# Altium PCB Z693_H93-A_KD01_V1.3_X6.PcbDoc (part 4 of 7)
Units mil, origin at the board's own origin, x right, y up, seen from the top; angles counter-clockwise.
Board outline 6229.44 x 4099.52 mil, 4 copper layers (Top Layer, Mid-Layer 1, Mid-Layer 2, Bottom Layer); 1032 components, 62 nets, 3170 pads, 1350 vias.
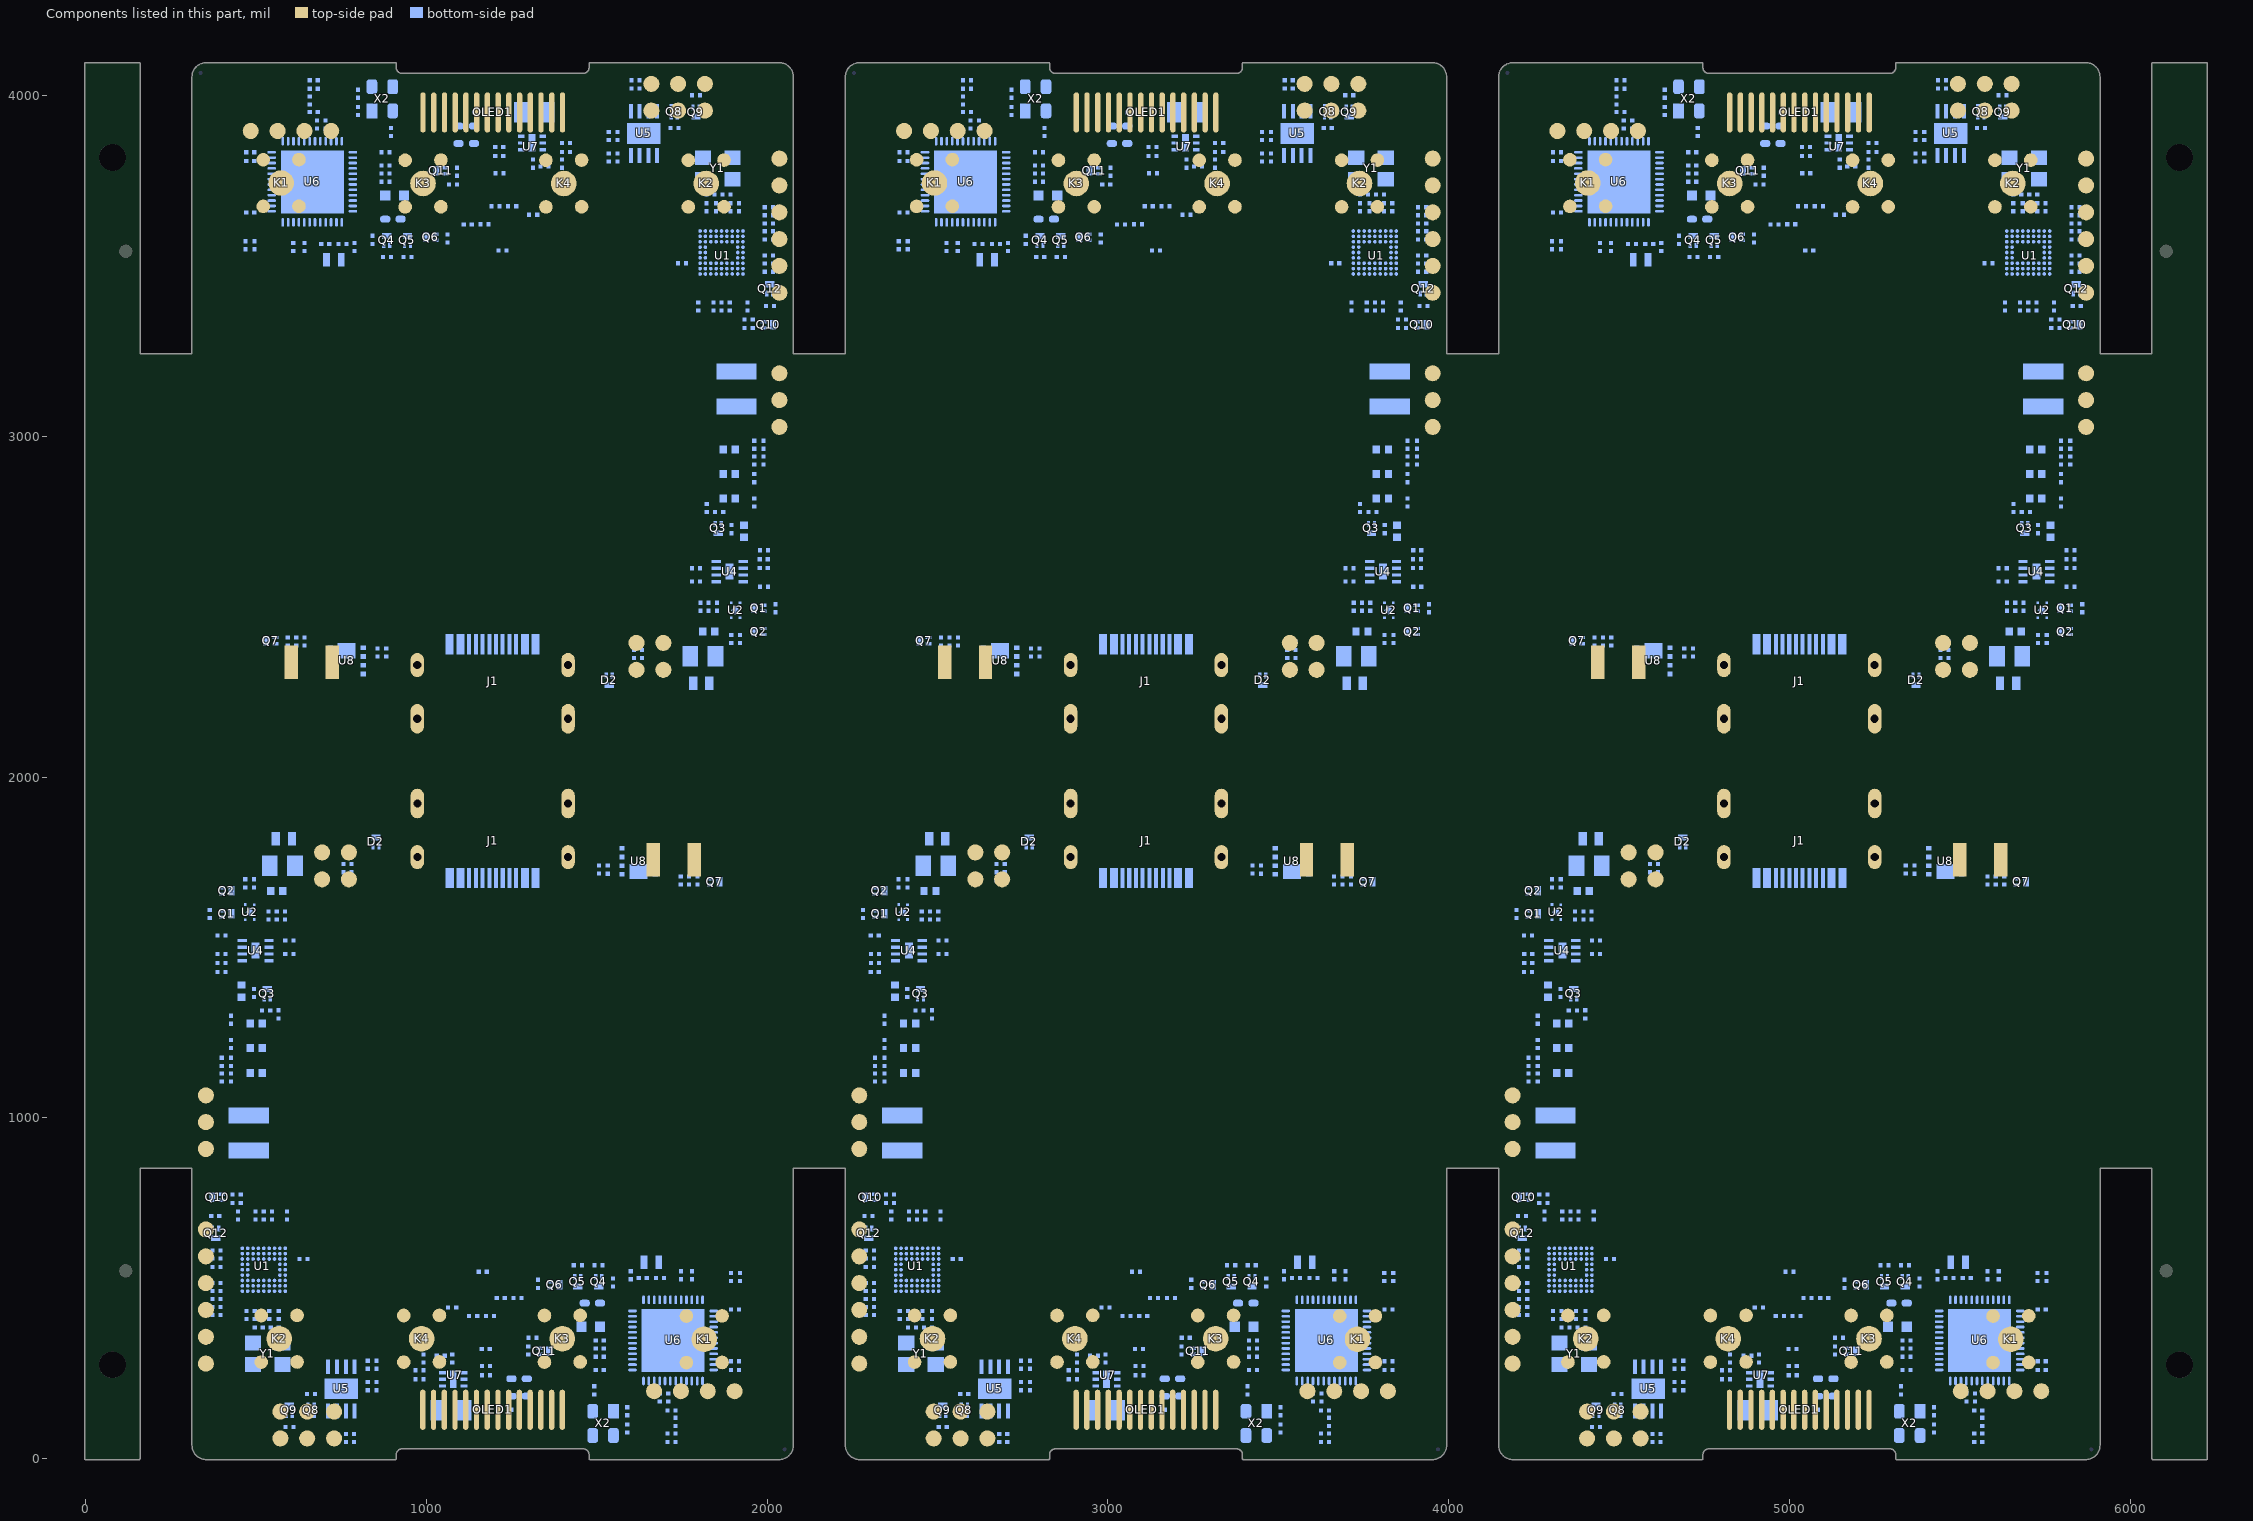
[diagram p6: the components of this part, seen from the top]

## Via types
v1: diameter 15, hole 8, Top Layer to Bottom Layer, tented both sides, 1194 vias
v2: diameter 8, hole 4, Mid-Layer 2 to Bottom Layer, tented bottom, 150 vias
v3: diameter 20, hole 10, Top Layer to Bottom Layer, tented both sides, 6 vias

## Nets (pads, with @x,y where several pads share a name; then routed paths per layer and width w, separated by ;. In a path a pad name is that pad's centre, name@x,y a point inside that pad or via, vN(x,y) a via of type N, cw(c..) or ccw(c..) an arc to the next point about the centre after c; other vN are vias at no path point) (continued)
copper on no net: (continued)
  Mid-Layer 1 w20: v1(389.8,1007.06) 389.8,1188.96 375.41,1203.36 375.41,1475.08 v1(401.26,1500.94) ; v1@435.26,492.06 462.09,518.89 462.09,630.75 472.44,641.1 472.44,697.56 ; v1(516,779.68) 529.38,793.06 529.38,1400.6 v1(568.88,1440.1) v1(568.88,1520.62) ; v1@523.26,682.93 508.63,697.56 472.44,697.56 ; v1(614.8,857.88) 614.8,824.88 646.38,793.3 646.38,665.11 697.61,613.88 777.77,613.88 822.39,569.25 v1@822.39,438.39 ; v1(655.8,1739.88) 743.24,1739.88 785.52,1697.6 936.24,1697.6 v1(936.88,1698.24) ; v3(733.98,1686.1) 660.54,1686.1 v1(537.01,1562.56) 508.8,1534.35 508.8,1476.76 454.76,1422.72 454.76,715.24 472.44,697.56 ; v1(1452.88,2396.25) 1453.52,2396.9 1604.24,2396.9 1646.52,2354.62 v1(1733.96,2354.62) ; v1@1567.37,3656.1 1567.37,3525.24 1611.99,3480.62 1692.15,3480.62 1743.38,3429.38 1743.38,3301.19 1774.96,3269.62 v1(1774.96,3236.62) ; v3(1655.79,2408.4) 1729.22,2408.4 v1(1852.76,2531.93) 1880.96,2560.14 1880.96,2617.73 1935,2671.77 1935,3379.25 1917.32,3396.93 ; v1(1820.88,2573.87) v1(1820.88,2654.4) 1860.38,2693.9 1860.38,3301.43 v1(1873.77,3314.82) ; v1@1866.5,3411.56 1881.14,3396.93 1917.32,3396.93 ; v1@1954.5,3602.43 1927.68,3575.6 1927.68,3463.75 1917.32,3453.39 1917.32,3396.93 ; v1(1988.5,2593.55) 2014.36,2619.41 2014.36,2891.13 1999.96,2905.53 v1(1999.96,3087.43) ; v1(2307.13,1007.06) 2307.13,1188.96 2292.73,1203.36 2292.73,1475.08 v1(2318.58,1500.94) ; v1@2352.58,492.06 2379.41,518.89 2379.41,630.75 2389.77,641.1 2389.77,697.56 ; v1(2433.32,779.68) 2446.71,793.06 2446.71,1400.6 v1(2486.21,1440.1) v1(2486.21,1520.62) ; v1@2440.58,682.93 2425.95,697.56 2389.77,697.56 ; v1(2532.13,857.88) 2532.13,824.88 2563.71,793.3 2563.71,665.11 2614.94,613.88 2695.1,613.88 2739.72,569.25 v1@2739.72,438.39 ; v1(2573.13,1739.88) 2660.57,1739.88 2702.85,1697.6 2853.57,1697.6 v1(2854.21,1698.24) ; v3(2651.3,1686.1) 2577.87,1686.1 v1(2454.33,1562.56) 2426.13,1534.35 2426.13,1476.76 2372.08,1422.72 2372.08,715.24 2389.77,697.56 ; v1(3370.21,2396.25) 3370.85,2396.9 3521.57,2396.9 3563.85,2354.62 v1(3651.28,2354.62) ; v1@3484.69,3656.1 3484.69,3525.24 3529.32,3480.62 3609.48,3480.62 3660.71,3429.38 3660.71,3301.19 3692.28,3269.62 v1(3692.28,3236.62) ; v3(3573.11,2408.4) 3646.54,2408.4 v1(3770.08,2531.93) 3798.28,2560.14 3798.28,2617.73 3852.33,2671.77 3852.33,3379.25 3834.64,3396.93 ; v1(3738.21,2573.87) v1(3738.21,2654.4) 3777.71,2693.9 3777.71,3301.43 v1(3791.09,3314.82) ; v1@3783.83,3411.56 3798.46,3396.93 3834.64,3396.93 ; v1@3871.83,3602.43 3845,3575.6 3845,3463.75 3834.64,3453.39 3834.64,3396.93 ; v1(3905.83,2593.55) 3931.68,2619.41 3931.68,2891.13 3917.28,2905.53 v1(3917.28,3087.43) ; v1(4224.45,1007.06) 4224.45,1188.96 4210.05,1203.36 4210.05,1475.08 v1(4235.91,1500.94) ; v1@4269.91,492.06 4296.74,518.89 4296.74,630.75 4307.09,641.1 4307.09,697.56 ; v1(4350.65,779.68) 4364.03,793.06 4364.03,1400.6 v1(4403.53,1440.1) v1(4403.53,1520.62) ; v1@4357.91,682.93 4343.28,697.56 4307.09,697.56 ; v1(4449.45,857.88) 4449.45,824.88 4481.03,793.3 4481.03,665.11 4532.26,613.88 4612.42,613.88 4657.04,569.25 v1@4657.04,438.39 ; v1(4490.45,1739.88) 4577.89,1739.88 4620.17,1697.6 4770.89,1697.6 v1(4771.53,1698.24) ; v3(4568.62,1686.1) 4495.19,1686.1 v1(4371.66,1562.56) 4343.45,1534.35 4343.45,1476.76 4289.41,1422.72 4289.41,715.24 4307.09,697.56 ; v1(5287.53,2396.25) 5288.17,2396.9 5438.89,2396.9 5481.17,2354.62 v1(5568.61,2354.62) ; v1@5402.02,3656.1 5402.02,3525.24 5446.64,3480.62 5526.8,3480.62 5578.03,3429.38 5578.03,3301.19 5609.61,3269.62 v1(5609.61,3236.62) ; v3(5490.44,2408.4) 5563.87,2408.4 v1(5687.4,2531.93) 5715.61,2560.14 5715.61,2617.73 5769.65,2671.77 5769.65,3379.25 5751.97,3396.93 ; v1(5655.53,2573.87) v1(5655.53,2654.4) 5695.03,2693.9 5695.03,3301.43 v1(5708.41,3314.82) ; v1@5701.15,3411.56 5715.78,3396.93 5751.97,3396.93 ; v1@5789.15,3602.43 5762.32,3575.6 5762.32,3463.75 5751.97,3453.39 5751.97,3396.93 ; v1(5823.15,2593.55) 5849.01,2619.41 5849.01,2891.13 5834.61,2905.53 v1(5834.61,3087.43)
  Mid-Layer 2 w6: 343.8,607.88 375.8,607.88 412.8,570.88 500.8,570.88 507.51,577.58 v2(507.51,586.1) ; v1(416.93,510.1) 435.02,510.1 463.78,538.85 v2(476.02,538.85) ; v1(420.77,551.88) 427.77,558.88 471.74,558.88 v2(476.02,554.6) v2@475.26,555.35 ; v2(441.88,468.56) 441.88,153.56 493.88,101.56 v1(554.39,101.56) v1(703.88,101.56) ; v1(447.26,661.43) 447.26,626.39 471.8,601.84 v2(491.76,601.84) ; v2(476.02,523.1) 476.02,276.43 v1(564.88,187.56) ; v1(478.8,828.88) 457.77,828.88 438.89,810 438.89,767.75 451.77,754.88 451.77,691.48 430.76,670.47 430.76,624.92 469.58,586.1 v2(491.76,586.1) ; v1@499.26,673.56 508.93,673.56 523.26,659.22 v2(523.26,586.1) ; v2(509.11,460.78) 523.26,474.94 v2(523.26,507.36) ; v1(520.8,130.88) 653.8,130.88 708.8,185.88 v1(708.8,355.88) ; v2(539.01,507.36) 539.01,468.43 v1(557.27,450.17) ; v2(554.76,507.36) 554.76,476.89 625.77,405.88 775.83,405.88 837.83,343.88 1202.8,343.88 1205.8,340.88 v1(1245.46,340.88) ; v2(554.76,586.1) 546.26,586.1 540.01,592.35 540.01,635.11 550.96,646.06 618.62,646.06 668.3,596.38 747.58,596.38 773.08,570.88 v1(851.77,570.88) ; v2(554.76,601.84) 554.76,620.46 563.85,629.56 v1(610.88,629.56) ; v2(570.5,507.36) 620.29,507.36 638.77,488.88 v1(652.38,488.88) ; v2(570.5,538.85) 731.8,538.85 767.77,502.88 971.94,502.88 v1(997.8,477.01) ; v2(570.5,570.35) 643.42,570.35 657.89,555.88 v1(708.8,555.88) ; v2(570.5,586.1) 644.64,586.1 658.36,572.38 718.19,572.38 775.01,515.56 982.59,515.56 1079.14,419.01 v1(1104.88,419.01) ; v2(570.5,601.84) 645.87,601.84 663.33,584.38 731.46,584.38 v1(747.38,568.45) ; v2(586.25,491.61) 586.25,462.37 630.74,417.88 780.8,417.88 842.8,355.88 1105.8,355.88 1171.8,421.88 v1(1171.8,475.88) ; v1(591.94,3912.99) 761.82,3912.99 805.38,3869.43 805.38,3743.19 837.96,3710.62 v1(1229.96,3710.62) ; v1(610.39,3896.49) 761.35,3896.49 793.38,3864.46 793.38,3738.22 832.99,3698.62 967.63,3698.62 v1(1134.31,3531.93) ; v1(821.88,3790.93) 821.88,3743.66 842.93,3722.62 1150.18,3722.62 v1(1162.96,3735.4) ; v1(829.88,3810.93) 838.69,3802.12 838.69,3759.12 858.38,3739.43 v1(1125.63,3739.43) ; v1(858.3,372.38) 1105.33,372.38 1151.8,418.85 v1(1151.8,459.38) ; v1(1110.88,305.53) 1142.88,273.53 v1(1142.88,233.1) ; v1(1144.31,3753.62) 1183.96,3753.62 1186.96,3750.62 1551.93,3750.62 1613.93,3688.62 1763.99,3688.62 1835.01,3617.6 v2(1835.01,3587.14) ; v1(1159.8,383.88) 1551.8,383.88 1584.38,351.3 1584.38,225.06 1627.94,181.5 v1(1797.82,181.5) ; v1(1217.96,3618.62) 1217.96,3672.62 1283.96,3738.62 1546.96,3738.62 1608.96,3676.62 1759.02,3676.62 1803.51,3632.12 v2(1803.51,3602.88) ; v1(1226.8,359.1) 1239.58,371.88 1546.83,371.88 1567.88,350.83 v1(1567.88,303.56) ; v1(1237.96,3635.12) 1237.96,3675.64 1284.43,3722.12 v1(1531.46,3722.12) ; v1(1246.88,3861.4) 1246.88,3820.96 v1(1278.88,3788.96) ; v1(1255.45,562.56) 1422.13,395.88 1556.77,395.88 1596.38,356.27 1596.38,230.03 1628.41,198 v1(1779.38,198) ; v1(1264.13,355.06) 1531.38,355.06 1551.07,335.37 1551.07,292.37 v1(1559.88,283.56) ; v1(1284.88,3675.48) 1310.63,3675.48 1407.18,3578.93 1614.76,3578.93 1671.58,3522.12 1731.4,3522.12 1745.12,3508.4 v2(1819.26,3508.4) ; v1(1391.96,3617.48) 1417.83,3591.62 1621.99,3591.62 1657.97,3555.64 v2(1819.26,3555.64) ; v1(1537.99,3523.62) 1616.69,3523.62 1642.19,3498.12 1721.46,3498.12 1771.14,3448.43 1838.81,3448.43 1849.76,3459.38 1849.76,3502.14 1843.5,3508.4 v2(1835.01,3508.4) ; v1(1642.38,3526.04) 1658.3,3510.12 1726.43,3510.12 1743.9,3492.65 v2(1819.26,3492.65) ; v1(1680.96,3538.62) 1731.87,3538.62 1746.34,3524.14 v2(1819.26,3524.14) ; v1(1680.96,3738.62) 1680.96,3908.62 1735.96,3963.62 v1(1868.96,3963.62) ; v1(1685.88,3992.93) v1(1835.37,3992.93) 1895.88,3992.93 1947.88,3940.93 v2(1947.88,3625.93) ; v1(1737.38,3605.62) 1750.99,3605.62 1769.47,3587.14 v2(1819.26,3587.14) ; v1(1778.88,3464.93) 1825.91,3464.93 1835.01,3474.03 v2(1835.01,3492.65) ; v1(1824.88,3906.93) 1913.75,3818.07 v2(1913.75,3571.39) ; v1(1832.5,3644.32) 1850.76,3626.06 v2(1850.76,3587.14) ; v2(1866.5,3508.4) 1866.5,3435.27 1880.84,3420.93 v1@1890.5,3420.93 ; v2(1866.5,3587.14) 1866.5,3619.55 v2(1880.66,3633.71) ; v2(1882.25,3508.4) 1882.25,3516.91 1888.96,3523.62 1976.96,3523.62 2013.96,3486.62 2045.96,3486.62 ; v2(1898,3492.65) 1917.96,3492.65 1942.5,3468.1 v1(1942.5,3433.06) ; v2(1898,3508.4) 1920.18,3508.4 1959,3469.57 1959,3424.02 1937.99,3403.01 1937.99,3339.62 1950.87,3326.74 1950.87,3284.49 1931.99,3265.62 v1(1910.96,3265.62) ; v2(1913.75,3555.64) 1925.98,3555.64 1954.74,3584.4 v1(1972.83,3584.4) ; v2@1914.5,3539.14 v2(1913.75,3539.89) 1918.02,3535.62 1961.99,3535.62 v1(1968.99,3542.62) ; 2261.13,607.88 2293.13,607.88 2330.13,570.88 2418.13,570.88 2424.84,577.58 v2(2424.84,586.1) ; v1(2334.25,510.1) 2352.35,510.1 2381.1,538.85 v2(2393.34,538.85) ; v1(2338.1,551.88) 2345.1,558.88 2389.06,558.88 v2(2393.34,554.6) v2@2392.59,555.35 ; v2(2359.21,468.56) 2359.21,153.56 2411.21,101.56 v1(2471.72,101.56) v1(2621.21,101.56) ; v1(2364.58,661.43) 2364.58,626.39 2389.13,601.84 v2(2409.09,601.84) ; v2(2393.34,523.1) 2393.34,276.43 v1(2482.21,187.56) ; v1(2396.13,828.88) 2375.1,828.88 2356.22,810 2356.22,767.75 2369.1,754.88 2369.1,691.48 2348.08,670.47 2348.08,624.92 2386.91,586.1 v2(2409.09,586.1) ; v1@2416.58,673.56 2426.25,673.56 2440.58,659.22 v2(2440.58,586.1) ; v2(2426.43,460.78) 2440.58,474.94 v2(2440.58,507.36) ; v1(2438.13,130.88) 2571.13,130.88 2626.13,185.88 v1(2626.13,355.88) ; v2(2456.33,507.36) 2456.33,468.43 v1(2474.59,450.17) ; v2(2472.08,507.36) 2472.08,476.89 2543.1,405.88 2693.16,405.88 2755.16,343.88 3120.13,343.88 3123.13,340.88 v1(3162.78,340.88) ; v2(2472.08,586.1) 2463.58,586.1 2457.33,592.35 2457.33,635.11 2468.28,646.06 2535.94,646.06 2585.63,596.38 2664.9,596.38 2690.4,570.88 v1(2769.1,570.88) ; v2(2472.08,601.84) 2472.08,620.46 2481.18,629.56 v1(2528.21,629.56) ; v2(2487.83,507.36) 2537.62,507.36 2556.1,488.88 v1(2569.71,488.88) ; v2(2487.83,538.85) 2649.12,538.85 2685.1,502.88 2889.26,502.88 v1(2915.13,477.01) ; v2(2487.83,570.35) 2560.74,570.35 2575.22,555.88 v1(2626.13,555.88) ; v2(2487.83,586.1) 2561.97,586.1 2575.69,572.38 2635.51,572.38 2692.33,515.56 2899.91,515.56 2996.46,419.01 v1(3022.21,419.01) ; v2(2487.83,601.84) 2563.19,601.84 2580.66,584.38 2648.78,584.38 v1(2664.71,568.45) ; v2(2503.58,491.61) 2503.58,462.37 2548.07,417.88 2698.13,417.88 2760.13,355.88 3023.13,355.88 3089.13,421.88 v1(3089.13,475.88) ; v1(2509.26,3912.99) 2679.15,3912.99 2722.71,3869.43 2722.71,3743.19 2755.28,3710.62 v1(3147.28,3710.62) ; v1(2527.71,3896.49) 2678.68,3896.49 2710.71,3864.46 2710.71,3738.22 2750.31,3698.62 2884.95,3698.62 v1(3051.64,3531.93) ; v1(2739.21,3790.93) 2739.21,3743.66 2760.26,3722.62 3067.5,3722.62 v1(3080.28,3735.4) ; v1(2747.21,3810.93) 2756.02,3802.12 2756.02,3759.12 2775.71,3739.43 v1(3042.96,3739.43) ; v1(2775.63,372.38) 3022.66,372.38 3069.13,418.85 v1(3069.13,459.38) ; v1(3028.21,305.53) 3060.21,273.53 v1(3060.21,233.1) ; v1(3061.63,3753.62) 3101.28,3753.62 3104.28,3750.62 3469.26,3750.62 3531.26,3688.62 3681.32,3688.62 3752.33,3617.6 v2(3752.33,3587.14) ; v1(3077.13,383.88) 3469.13,383.88 3501.71,351.3 3501.71,225.06 3545.26,181.5 v1(3715.15,181.5) ; v1(3135.28,3618.62) 3135.28,3672.62 3201.28,3738.62 3464.28,3738.62 3526.28,3676.62 3676.35,3676.62 3720.84,3632.12 v2(3720.84,3602.88) ; v1(3144.13,359.1) 3156.91,371.88 3464.16,371.88 3485.21,350.83 v1(3485.21,303.56) ; v1(3155.28,3635.12) 3155.28,3675.64 3201.76,3722.12 v1(3448.78,3722.12) ; v1(3164.21,3861.4) 3164.21,3820.96 v1(3196.21,3788.96) ; v1(3172.77,562.56) 3339.46,395.88 3474.1,395.88 3513.71,356.27 3513.71,230.03 3545.73,198 v1(3696.7,198) ; v1(3181.46,355.06) 3448.71,355.06 3468.4,335.37 3468.4,292.37 v1(3477.21,283.56) ; v1(3202.21,3675.48) 3227.95,3675.48 3324.5,3578.93 3532.08,3578.93 3588.9,3522.12 3648.73,3522.12 3662.45,3508.4 v2(3736.58,3508.4) ; v1(3309.28,3617.48) 3335.15,3591.62 3539.32,3591.62 3575.29,3555.64 v2(3736.58,3555.64) ; v1(3455.32,3523.62) 3534.01,3523.62 3559.51,3498.12 3638.78,3498.12 3688.47,3448.43 3756.13,3448.43 3767.08,3459.38 3767.08,3502.14 3760.83,3508.4 v2(3752.33,3508.4) ; v1(3559.71,3526.04) 3575.63,3510.12 3643.76,3510.12 3661.22,3492.65 v2(3736.58,3492.65) ; v1(3598.28,3538.62) 3649.2,3538.62 3663.67,3524.14 v2(3736.58,3524.14) ; v1(3598.28,3738.62) 3598.28,3908.62 3653.28,3963.62 v1(3786.28,3963.62) ; v1(3603.21,3992.93) v1(3752.69,3992.93) 3813.21,3992.93 3865.21,3940.93 v2(3865.21,3625.93) ; v1(3654.71,3605.62) 3668.32,3605.62 3686.8,3587.14 v2(3736.58,3587.14) ; v1(3696.21,3464.93) 3743.24,3464.93 3752.33,3474.03 v2(3752.33,3492.65) ; v1(3742.21,3906.93) 3831.07,3818.07 v2(3831.07,3571.39) ; v1(3749.82,3644.32) 3768.08,3626.06 v2(3768.08,3587.14) ; v2(3783.83,3508.4) 3783.83,3435.27 3798.16,3420.93 v1@3807.83,3420.93 ; v2(3783.83,3587.14) 3783.83,3619.55 v2(3797.98,3633.71) ; v2(3799.58,3508.4) 3799.58,3516.91 3806.28,3523.62 3894.28,3523.62 3931.28,3486.62 3963.28,3486.62 ; v2(3815.32,3492.65) 3835.28,3492.65 3859.83,3468.1 v1(3859.83,3433.06) ; v2(3815.32,3508.4) 3837.5,3508.4 3876.33,3469.57 3876.33,3424.02 3855.32,3403.01 3855.32,3339.62 3868.19,3326.74 3868.19,3284.49 3849.32,3265.62 v1(3828.28,3265.62) ; v2(3831.07,3555.64) 3843.31,3555.64 3872.06,3584.4 v1(3890.16,3584.4) ; v2@3831.82,3539.14 v2(3831.07,3539.89) 3835.35,3535.62 3879.32,3535.62 v1(3886.32,3542.62) ; 4178.45,607.88 4210.45,607.88 4247.45,570.88 4335.45,570.88 4342.16,577.58 v2(4342.16,586.1) ; v1(4251.58,510.1) 4269.67,510.1 4298.43,538.85 v2(4310.66,538.85) ; v1(4255.42,551.88) 4262.42,558.88 4306.39,558.88 v2(4310.66,554.6) v2@4309.91,555.35 ; v2(4276.53,468.56) 4276.53,153.56 4328.53,101.56 v1(4389.04,101.56) v1(4538.53,101.56) ; v1(4281.91,661.43) 4281.91,626.39 4306.45,601.84 v2(4326.41,601.84) ; v2(4310.66,523.1) 4310.66,276.43 v1(4399.53,187.56) ; v1(4313.45,828.88) 4292.42,828.88 4273.54,810 4273.54,767.75 4286.42,754.88 4286.42,691.48 4265.41,670.47 4265.41,624.92 4304.23,586.1 v2(4326.41,586.1) ; v1@4333.91,673.56 4343.57,673.56 4357.91,659.22 v2(4357.91,586.1) ; v2(4343.75,460.78) 4357.91,474.94 v2(4357.91,507.36) ; v1(4355.45,130.88) 4488.45,130.88 4543.45,185.88 v1(4543.45,355.88) ; v2(4373.66,507.36) 4373.66,468.43 v1(4391.92,450.17) ; v2(4389.4,507.36) 4389.4,476.89 4460.42,405.88 4610.48,405.88 4672.48,343.88 5037.45,343.88 5040.45,340.88 v1(5080.11,340.88) ; v2(4389.4,586.1) 4380.91,586.1 4374.66,592.35 4374.66,635.11 4385.6,646.06 4453.27,646.06 4502.95,596.38 4582.23,596.38 4607.73,570.88 v1(4686.42,570.88) ; v2(4389.4,601.84) 4389.4,620.46 4398.5,629.56 v1(4445.53,629.56) ; v2(4405.15,507.36) 4454.94,507.36 4473.42,488.88 v1(4487.03,488.88) ; v2(4405.15,538.85) 4566.44,538.85 4602.42,502.88 4806.59,502.88 v1(4832.45,477.01) ; v2(4405.15,570.35) 4478.07,570.35 4492.54,555.88 v1(4543.45,555.88) ; v2(4405.15,586.1) 4479.29,586.1 4493.01,572.38 4552.84,572.38 4609.65,515.56 4817.24,515.56 4913.79,419.01 v1(4939.53,419.01) ; v2(4405.15,601.84) 4480.51,601.84 4497.98,584.38 4566.11,584.38 v1(4582.03,568.45) ; v2(4420.9,491.61) 4420.9,462.37 4465.39,417.88 4615.45,417.88 4677.45,355.88 4940.45,355.88 5006.45,421.88 v1(5006.45,475.88) ; v1(4426.59,3912.99) 4596.47,3912.99 4640.03,3869.43 4640.03,3743.19 4672.61,3710.62 v1(5064.61,3710.62) ; v1(4445.03,3896.49) 4596,3896.49 4628.03,3864.46 4628.03,3738.22 4667.64,3698.62 4802.28,3698.62 v1(4968.96,3531.93) ; v1(4656.53,3790.93) 4656.53,3743.66 4677.58,3722.62 4984.83,3722.62 v1(4997.61,3735.4) ; v1(4664.53,3810.93) 4673.34,3802.12 4673.34,3759.12 4693.03,3739.43 v1(4960.28,3739.43) ; v1(4692.95,372.38) 4939.98,372.38 4986.45,418.85 v1(4986.45,459.38) ; v1(4945.53,305.53) 4977.53,273.53 v1(4977.53,233.1) ; v1(4978.96,3753.62) 5018.61,3753.62 5021.61,3750.62 5386.58,3750.62 5448.58,3688.62 5598.64,3688.62 5669.66,3617.6 v2(5669.66,3587.14) ; v1(4994.45,383.88) 5386.45,383.88 5419.03,351.3 5419.03,225.06 5462.59,181.5 v1(5632.47,181.5) ; v1(5052.61,3618.62) 5052.61,3672.62 5118.61,3738.62 5381.61,3738.62 5443.61,3676.62 5593.67,3676.62 5638.16,3632.12 v2(5638.16,3602.88) ; v1(5061.45,359.1) 5074.23,371.88 5381.48,371.88 5402.53,350.83 v1(5402.53,303.56) ; v1(5072.61,3635.12) 5072.61,3675.64 5119.08,3722.12 v1(5366.11,3722.12) ; v1(5081.53,3861.4) 5081.53,3820.96 v1(5113.53,3788.96) ; v1(5090.1,562.56) 5256.78,395.88 5391.42,395.88 5431.03,356.27 5431.03,230.03 5463.06,198 v1(5614.03,198) ; v1(5098.78,355.06) 5366.03,355.06 5385.72,335.37 5385.72,292.37 v1(5394.53,283.56) ; v1(5119.53,3675.48) 5145.27,3675.48 5241.82,3578.93 5449.41,3578.93 5506.22,3522.12 5566.05,3522.12 5579.77,3508.4 v2(5653.91,3508.4) ; v1(5226.61,3617.48) 5252.47,3591.62 5456.64,3591.62 5492.62,3555.64 v2(5653.91,3555.64) ; v1(5372.64,3523.62) 5451.33,3523.62 5476.83,3498.12 5556.11,3498.12 5605.79,3448.43 5673.46,3448.43 5684.4,3459.38 5684.4,3502.14 5678.15,3508.4 v2(5669.66,3508.4) ; v1(5477.03,3526.04) 5492.95,3510.12 5561.08,3510.12 5578.55,3492.65 v2(5653.91,3492.65) ; v1(5515.61,3538.62) 5566.52,3538.62 5580.99,3524.14 v2(5653.91,3524.14) ; v1(5515.61,3738.62) 5515.61,3908.62 5570.61,3963.62 v1(5703.61,3963.62) ; v1(5520.53,3992.93) v1(5670.02,3992.93) 5730.53,3992.93 5782.53,3940.93 v2(5782.53,3625.93) ; v1(5572.03,3605.62) 5585.64,3605.62 5604.12,3587.14 v2(5653.91,3587.14) ; v1(5613.53,3464.93) 5660.56,3464.93 5669.66,3474.03 v2(5669.66,3492.65) ; v1(5659.53,3906.93) 5748.4,3818.07 v2(5748.4,3571.39) ; v1(5667.14,3644.32) 5685.4,3626.06 v2(5685.4,3587.14) ; v2(5701.15,3508.4) 5701.15,3435.27 5715.49,3420.93 v1@5725.15,3420.93 ; v2(5701.15,3587.14) 5701.15,3619.55 v2(5715.31,3633.71) ; v2(5716.9,3508.4) 5716.9,3516.91 5723.61,3523.62 5811.61,3523.62 5848.61,3486.62 5880.61,3486.62 ; v2(5732.65,3492.65) 5752.61,3492.65 5777.15,3468.1 v1(5777.15,3433.06) ; v2(5732.65,3508.4) 5754.83,3508.4 5793.65,3469.57 5793.65,3424.02 5772.64,3403.01 5772.64,3339.62 5785.52,3326.74 5785.52,3284.49 5766.64,3265.62 v1(5745.61,3265.62) ; v2(5748.4,3555.64) 5760.63,3555.64 5789.39,3584.4 v1(5807.48,3584.4) ; v2@5749.15,3539.14 v2(5748.4,3539.89) 5752.67,3535.62 5796.64,3535.62 v1(5803.64,3542.62)
  Mid-Layer 2 w8: v1(478.88,798.56) 478.88,641.77 507.51,613.14 v2(507.51,601.84) ; v2(491.76,507.36) 491.76,322.68 579.8,234.65 v1(638.39,234.65) ; v2(507.51,491.61) 507.51,511.41 519.21,523.1 v2(539.01,523.1) ; v2(570.5,523.1) 627.88,523.1 ; v1(1751.37,3859.84) 1809.97,3859.84 1898,3771.81 v2(1898,3587.14) ; 1761.89,3571.39 v2(1819.26,3571.39) ; v2(1850.76,3571.39) 1870.56,3571.39 1882.25,3583.08 v2(1882.25,3602.88) ; v2(1882.25,3492.65) 1882.25,3481.36 1910.88,3452.73 v1(1910.88,3295.93) ; v1(2396.21,798.56) 2396.21,641.77 2424.84,613.14 v2(2424.84,601.84) ; v2(2409.09,507.36) 2409.09,322.68 2497.12,234.65 v1(2555.72,234.65) ; v2(2424.84,491.61) 2424.84,511.41 2436.53,523.1 v2(2456.33,523.1) ; v2(2487.83,523.1) 2545.2,523.1 ; v1(3668.69,3859.84) 3727.29,3859.84 3815.32,3771.81 v2(3815.32,3587.14) ; 3679.21,3571.39 v2(3736.58,3571.39) ; v2(3768.08,3571.39) 3787.88,3571.39 3799.58,3583.08 v2(3799.58,3602.88) ; v2(3799.58,3492.65) 3799.58,3481.36 3828.21,3452.73 v1(3828.21,3295.93) ; v1(4313.53,798.56) 4313.53,641.77 4342.16,613.14 v2(4342.16,601.84) ; v2(4326.41,507.36) 4326.41,322.68 4414.44,234.65 v1(4473.04,234.65) ; v2(4342.16,491.61) 4342.16,511.41 4353.86,523.1 v2(4373.66,523.1) ; v2(4405.15,523.1) 4462.53,523.1 ; v1(5586.02,3859.84) 5644.62,3859.84 5732.65,3771.81 v2(5732.65,3587.14) ; 5596.53,3571.39 v2(5653.91,3571.39) ; v2(5685.4,3571.39) 5705.2,3571.39 5716.9,3583.08 v2(5716.9,3602.88) ; v2(5716.9,3492.65) 5716.9,3481.36 5745.53,3452.73 v1(5745.53,3295.93)
  Mid-Layer 2 w15: 628.63,522.35 663.77,522.35 681.68,504.44 v1(681.68,441.26) ; v1(778.77,347.88) 810.5,347.88 831,327.38 1131.3,327.38 v1@1135.8,322.88 ; v1(843.3,3526.95) 872.6,3556.25 v1(872.6,3669.56) ; v1(1105.96,3673.62) 1150.81,3628.76 v1(1150.81,3555.43) ; v1(1238.95,539.06) 1238.95,465.73 v1(1283.8,420.88) ; v1@1253.96,3771.62 1258.46,3767.12 1558.77,3767.12 1579.27,3746.62 v1(1610.99,3746.62) ; v1(1517.17,424.93) 1517.17,538.24 v1(1546.47,567.54) ; v1(1708.09,3653.23) 1708.09,3590.05 1725.99,3572.14 1761.13,3572.14 ; 2545.95,522.35 2581.1,522.35 2599,504.44 v1(2599,441.26) ; v1(2696.1,347.88) 2727.82,347.88 2748.32,327.38 3048.63,327.38 v1@3053.13,322.88 ; v1(2760.62,3526.95) 2789.92,3556.25 v1(2789.92,3669.56) ; v1(3023.28,3673.62) 3068.14,3628.76 v1(3068.14,3555.43) ; v1(3156.27,539.06) 3156.27,465.73 v1(3201.13,420.88) ; v1@3171.28,3771.62 3175.78,3767.12 3476.09,3767.12 3496.59,3746.62 v1(3528.32,3746.62) ; v1(3434.49,424.93) 3434.49,538.24 v1(3463.79,567.54) ; v1(3625.41,3653.23) 3625.41,3590.05 3643.32,3572.14 3678.46,3572.14 ; 4463.28,522.35 4498.42,522.35 4516.33,504.44 v1(4516.33,441.26) ; v1(4613.42,347.88) 4645.15,347.88 4665.65,327.38 4965.95,327.38 v1@4970.45,322.88 ; v1(4677.95,3526.95) 4707.25,3556.25 v1(4707.25,3669.56) ; v1(4940.61,3673.62) 4985.46,3628.76 v1(4985.46,3555.43) ; v1(5073.6,539.06) 5073.6,465.73 v1(5118.45,420.88) ; v1@5088.61,3771.62 5093.11,3767.12 5393.41,3767.12 5413.91,3746.62 v1(5445.64,3746.62) ; v1(5351.81,424.93) 5351.81,538.24 v1(5381.11,567.54) ; v1(5542.73,3653.23) 5542.73,3590.05 5560.64,3572.14 5595.78,3572.14
  Mid-Layer 2 w20: v1(495.13,1654.88) 495.13,1625.55 512.8,1607.88 512.8,1424.88 614.8,1322.88 v1(614.8,857.88) ; v1(1774.96,3236.62) 1774.96,2771.62 1876.96,2669.62 1876.96,2486.62 1894.64,2468.94 v1(1894.64,2439.62) ; v1(2412.45,1654.88) 2412.45,1625.55 2430.13,1607.88 2430.13,1424.88 2532.13,1322.88 v1(2532.13,857.88) ; v1(3692.28,3236.62) 3692.28,2771.62 3794.28,2669.62 3794.28,2486.62 3811.96,2468.94 v1(3811.96,2439.62) ; v1(4329.77,1654.88) 4329.77,1625.55 4347.45,1607.88 4347.45,1424.88 4449.45,1322.88 v1(4449.45,857.88) ; v1(5609.61,3236.62) 5609.61,2771.62 5711.61,2669.62 5711.61,2486.62 5729.29,2468.94 v1(5729.29,2439.62)